# Altium PCB RaspberryPi_ExpansionBoard.PcbDoc (continued)
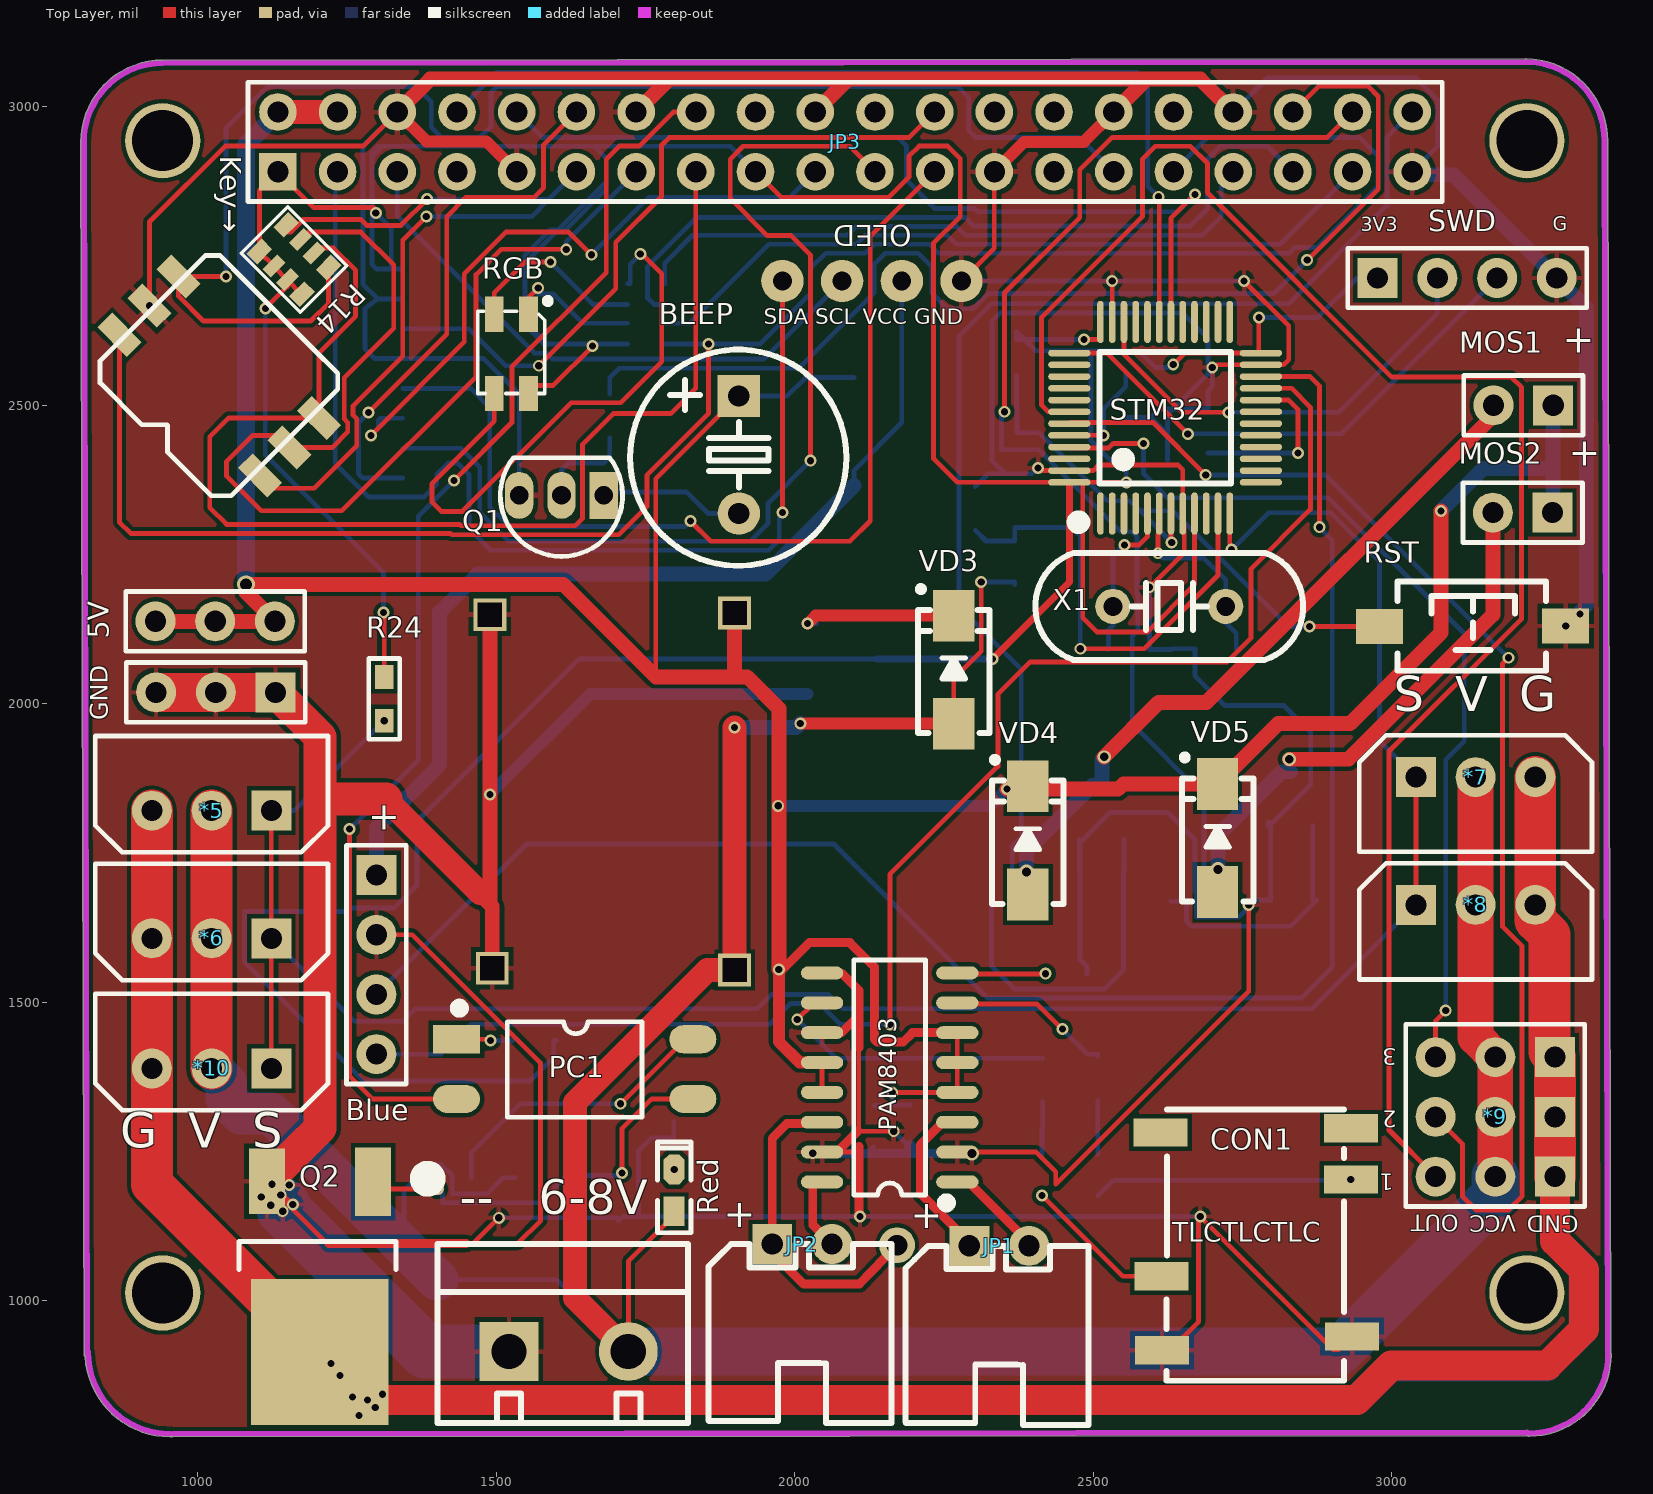
[diagram p0: Top Layer view]
## Via types (continued)

## Nets (pads, with @x,y where several pads share a name; then routed paths per layer and width w, separated by ;. In a path a pad name is that pad's centre, name@x,y a point inside that pad or via, vN(x,y) a via of type N, cw(c..) or ccw(c..) an arc to the next point about the centre after c; other vN are vias at no path point)
5V: 5V.1 5V.2 5V.3 BEEP.1 C10.1 C11.1 JP3.2 JP3.4 MOS1.1 MOS2.1 pad.8 PAM8403.4 PAM8403.5 PAM8403.6 PAM8403.12 PAM8403.13 VD2.1 VD4.2 VD5.2 | length 6295.7
  Top Layer w8: 1767,2045 1767,2376.43 BEEP.1 ; PAM8403.13 PAM8403.12 ; v1(2163,1349) PAM8403.4 PAM8403.5 PAM8403.6 ; 2546,1861.55 2550,1865.55
  Top Layer w15: v1@1977,1553 2024,1600 2092,1600 2133,1559 2133,1438 2138,1433 2181,1433 2197,1449 PAM8403.6
  Top Layer w20: 1898,2045 1899,2046 ; v1(1973,1554.8) 1973,1434 2008,1399 PAM8403.12
  Top Layer w25: 5V.3 5V.2 5V.1 1080.5,2186.5 v4(1080.5,2200) 1612,2200 1767,2045 1881,2045 1898,2045 1920,2045 1973,1992 v1(1973,1554.8) ; 1899,2046 pad.8 ; v1(2355,1857) 2541.45,1857 2546,1861.55 ; 2550,1865.55 VD5.2 2809.4,1967 2930,1967 3082,2119 v1(3082,2323)
  Top Layer w40: JP3.2 JP3.4
  Bottom Layer w8: BEEP.1 1987,2515.43 2017.87,2546.3 VD2.1 ; C11.1 2162,1327 2163,1328 2171,1328 ; v1(2163,1349) 2163,1336 2171,1328 ; C10.1 2171,1328
  Bottom Layer w20: v1(1972,1829) 2327,1829 v1(2355,1857)
  Bottom Layer w25: v1(3082,2323) 3153,2394 3268,2394 ; MOS2.1 3270,2321 MOS1.1
  Bottom Layer w30: v4(1080.5,2200) 1080.5,2936.31 1134,2989.81 JP3.2
+OUTL: JP1.1 PAM8403.3 | length 331.9
  Top Layer w8: PAM8403.3 2297,1299 2297,1297 PAM8403.3@2296.19,1297 ; JP1.1 JP1.1@2292,1098
  Top Layer w15: JP1.1@2292,1098 2210,1180 2210,1261 2246,1297 PAM8403.3@2296.19,1297
+OUTR: JP2.1 pad.5 PAM8403.14 | length 565.9
  Top Layer w8: PAM8403.14@2029.81,1297 2012,1297 2010,1299 PAM8403.14
  Top Layer w15: PAM8403.14@2012,1297 1987,1297 1962,1272 JP2.1 1962,1081 2015,1028 2108,1028 pad.5
ADC: R15.2 R16.1 STM32.11 | length 785.7
  Top Layer w8: v1(2478,2092) 2585.43,2092 2708.58,2215.15 STM32.11
  Bottom Layer w8: R16.1 2320,2272.5 R15.2 2368,2295 2464,2295 2478,2281 v1(2478,2092)
Beep: JP3.36 R9.1 | length 1899.1
  Top Layer w8: JP3.36 2877,3034 2960,3034 2977,3017 2977,2862 v1(2858,2743)
  Bottom Layer w8: R9.1 1690,2546 1705.86,2561.86 2006.43,2561.86 2132.57,2688 2132.57,2736 2151,2754.43 2206.57,2754.43 2229,2732 2229,2688 2255.43,2661.57 2298.23,2661.57 2323.67,2687 2802,2687 v1(2858,2743)
Blue: JP3.33 R2.5 | length 1106.8
  Bottom Layer w8: R2.5 1782,2703.39 1782,2738 1828.43,2784.43 2087.57,2784.43 2102.57,2799.43 2270.43,2799.43 2285.43,2784.43 2682.43,2784.43 2714,2816 2714,2891 JP3.33
CE: JP3.24 JP4.3 | length 1188.5
  Top Layer w8: v1(1571,2566) 1700,2695 1700,2772.5 1776.5,2849 1776.5,2935 1790,2948.5 2191.5,2948.5 JP3.24
  Bottom Layer w8: JP4.3 1454,2628 1516,2566 v1(1571,2566)
CE1: JP3.26
GND: 1117.1 "--   6-8V.1" Blue.2 C4.1 C5.2 C7.2 C10.2 C11.2 C12.1 C13.1 C14.1 CON1.5 CON1.6 GND.1 GND.2 GND.3 JP3.6 JP3.9 JP3.14 JP3.20 JP3.25 JP3.30 JP3.34 JP3.39 JP4.2 JP4.4 Key→.5 OLED.1 pad.6 pad.9 PAM8403.2 PAM8403.9 PAM8403.11 PAM8403.15 Q1.3 Q2.3 R1.2 R8.2 R12.1 R16.2 R18.1 R21.2 R23.2 RST.2 SI1.2 SI2.2 STM32.8 STM32.23 STM32.35 STM32.47 SWD.4 | length 18365
  Top Layer w8: v1(918.8,2666.67) 918.8,2806.8 1046,2934 1277,2934 JP3.6 ; v1(1138.68,1177) 1143,1177 v1(1159,1161) ; Q2.3@1143,1169 1216,1096 ; 1167.43,1252 1168,1252 1205,1289 1205,1797 1248,1840 ; Blue.2 1359,1613 1574,1398 1574,1134 1536,1096 1461.05,1096 ; 1449,1096 1461.05,1096 ; 1473,1680 1473,1682.45 ; v1(1504,1138.95) 1461.05,1096 ; PAM8403.11 PAM8403.11@2078,1449 ; PAM8403.9 2061,1549 2063,1547 PAM8403.9@2080,1547 ; PAM8403.15@2070,1249 2098,1249 2107,1258 ; 2105,1284 2107,1284 ; 2105,1522 2107,1520 ; v1@2107,1141 2108,1140 v1(2109,1141) ; 2107,1424 2107,1284 ; v1(2165.5,1284) 2107,1284 ; PAM8403.2 PAM8403.2@2296.19,1249 ; OLED.1 2334,2763 JP3.25 ; v2(2296.19,1247) PAM8403.2@2296.19,1249 ; v1(2407,2395) 2411.58,2390.42 STM32.47 2499.42,2390.42 2509,2400 2641.53,2400 2649.53,2392 STM32.8 2649.53,2303.03 2652.16,2300.4 2652.16,2253.16 v1(2594,2195) ; STM32.35 v1(2531.42,2708) ; CON1.6 2628,917 2676,965 v1@2676,1140 ; v1(2679,1141) 2902,918 2911,918 2911,940 CON1.5 ; v1(2699,2563) 2702.25,2563 2706.83,2567.58 STM32.23 2818.58,2567.58 2827,2576 2827,2633 v1(2752,2708) ; v1(2760,1663) 2760,1518 2437,1195 2437,1216 2404,1249 PAM8403.2@2296.19,1249
  Top Layer w15: v1(1124,1195) 1124,1191.68 v1(1138.68,1177) ; 1219.58,1096.1 1449,1096.1 ; v1(2029.81,1247) 2068,1247 2070,1249 2105,1284 ; PAM8403.11@2078,1449 2105,1476 2105,1522 PAM8403.9@2080,1547 ; v1@2107,1141 2107,1258 ; 2107,1424 2107,1520
  Top Layer w20: JP3.6 1383,2942 1483,2942 JP3.9 ; JP3.25 2384,2941 2484,2941 JP3.30
  Top Layer w25: JP3.6 1389,3046 1789,3046 ; 1473,1680 1489,1664 ; pad.9 v1(1489,1848) 1489,1664 ; pad.6 1493,1660 1489,1664 ; JP3.14 1789,3046 ; JP3.20 2089,3046 ; JP3.30 2589,3046 ; JP3.34 2679,3046 2589,3046 ; 1789,3046 2089,3046 ; 2089,3046 2589,3046
  Top Layer w40: 1315.26,1840.19 1473,1682.45
  Top Layer w55: GND.1 1204.5,1944.5 1204.5,1289.07 1167.43,1252 Q2.3@1131.21,1215.79 ; 1212,1840.19 1315.26,1840.19
  Top Layer w65: GND.3 GND.2 GND.1
  Bottom Layer w8: 1143,1161 v1(1159,1161) ; JP3.6 1276.5,2933.5 1276.5,2702.5 1301,2678 ; JP4.2 1301,2678 ; v1(1504,1138.95) 1702.05,1138.95 1704,1137 R18.1 1703.95,1133.45 1711.5,1141 v1(2109,1141) 2677,1141 2678,1140 v1(2679,1141) ; Q1.3 1538.13,2518.73 1478.87,2578 JP4.4 1296,2578 1280,2594 1280,2662 1301,2678 ; 1738,1141.5 1738,1251 1760,1273 1797,1273 R1.2 ; C11.2@2121,1247 C11.2 ; v1(2165.5,1284) C10.2@2193,1256.5 ; OLED.1 v1(2531.42,2708) v1(2752,2708) ; R16.2 2323.5,2385 2352,2385 ; v1(2407,2395) 2397,2385 C12.1 2352,2385 ; SI1.2 2476.55,1719.9 2477.45,1719 ; C4.1 2489,1559.99 2477.45,1571.54 R21.2 2477.45,1719 ; R12.1 2595.93,2479.5 ; v1(2594,2195) C5.2 2631,2091 2632,2092 C7.2 2670,2047 2720,1997 2819,1997 2864,1952 2864,1864 2801.45,1801.45 SI2.2@2797,1801.45 ; C13.1 2624,2451.43 ; C14.1@2693,2563 v1(2699,2563) 2699,2531 2692,2524 R8.2 2632.5,2493.5 ; JP3.34 2791,3048 3040,3048 3077,3011 3077,2934 JP3.39 ; v1(2760,1663) 2771.75,1671 ; SI2.2 2792.55,1801.45 SI2.2@2797,1801.45 ; 2352,2385 2330,2407 2330,2640.25 2344.25,2654.5 2648.5,2654.5 2692,2611 2692,2553 2632.5,2493.5 ; 2477.45,1719 2477.45,1767.45 2528,1818 2624,1818 2670.08,1771.92 2670.08,1685.42 2672,1683.5 2672,1642.25 2743,1642.25 2771.75,1671 ; 2595.93,2479.5 2624,2451.43 ; 2595.93,2479.5 2609.93,2493.5 2632.5,2493.5 ; 2624,2451.43 2624,2485 2632.5,2493.5 ; 2771.75,1671 R23.2 2797,1671 SI2.2@2797,1801.45
  Bottom Layer w15: v1(2029.81,1247) 2121,1247 v2(2296.19,1247)
  Bottom Layer w20: v1(1489,1848) 1656.94,2015.94 1117.1 ; C10.2@2193,1256.5 C10.2
  Bottom Layer w25: JP3.39 3039,2886 3103,2886 SWD.4 3276,2712.64 3326,2662.64 3326,2165 v1(3291,2130)
  Bottom Layer w90: 1143,1161 1143,1153 1381,915 1521,915
  other v1: 1142,1150 1122,1160 1106,1174 1153,1194 3315,2150
GPIO0: JP3.11 Key→.1 R14.8 | length 1403.3
  Top Layer w8: Key→.1 1125.48,2361 1195,2361 1266.18,2432.18 1266.18,2476.98 1260,2483.16 1260,2499 1343,2582 1343,2776.44 v1(1382.56,2816) ; R14.8 1147.64,2790 1155.25,2790 1176.07,2810.82 1273.4,2810.82 1283.21,2801 1288,2801 1340,2801 v1(1384,2845)
  Bottom Layer w8: v1(1382.56,2816) 1559,2816 1588,2845 ; v1(1384,2845) 1588,2845 ; JP3.11 1588,2845
GPIO1: JP3.12 JP4.8 | length 900.9
  Top Layer w8: v1(1286,2488) 1417,2619 1417,2816 1449,2848 1563,2848 1579,2864 1579,2936 JP3.12
  Bottom Layer w8: v1(1286,2488) 1269,2471 1269,2385 1276,2378 JP4.8
GPIO2: JP3.13 Key→.2 R14.7 | length 1818.6
  Top Layer w8: R14.7 1184.73,2790 1273,2790 1328,2735 1328,2629 1245,2546 1245,2476.95 1251.18,2470.76 1251.18,2455.18 1225.08,2429.08 Key→.2 1133.65,2449 1091,2449 1048.1,2406.1 1048.1,2380.9 1106,2323 1241.07,2323 1466,2547.93 1466,2718.79 1508.21,2761 v1(1617,2761)
  Bottom Layer w8: v1(1617,2761) 1617,2774 JP3.13
GPIO3: JP3.15 Key→.3 R14.6 | length 2033.4
  Top Layer w8: R14.6 1202.48,2763.21 1226.94,2763.21 1264,2726.16 1264,2649 1203.06,2588.06 Key→.3 1051.61,2478.58 1020,2446.97 1020,2328.32 1048.1,2300.21 1438.32,2300.21 1440.53,2298 1632,2298 1644,2310 1644,2434 1696,2486 1792,2486 1834,2528 JP3.15
GPIO4: JP3.16 PC1.2 | length 2091.6
  Top Layer w8: v1(1254,1790) 1254,1376 1292,1338 PC1.2 ; v1(1429,2374) 1526,2471 1526,2564 1684,2722 1684,2912 1706,2934 1739,2934 1796,2991 JP3.16
  Bottom Layer w8: v1(1254,1790) 1369,1905 1369,2314 v1(1429,2374)
GPIO5: JP3.18
GPIO6: JP3.22
GPIO7: JP3.7
GPIO21: JP3.29 Key→.4 R14.5 | length 2437.1
  Top Layer w8: v1(1047,2715.46) Key→.4 967.59,2682.41 1009,2641 1189,2641 1218.91,2670.91 R14.5
  Bottom Layer w8: v1(1047,2715.46) 1047,2964.1 1116.4,3033.5 1365.5,3033.5 1391,3008 1391,2965.5 1408,2948.5 1472,2948.5 1491,2967.5 1491,3024 1500.5,3033.5 2272.5,3033.5 2291,3015 2291,2960 2302.5,2948.5 2476.5,2948.5 JP3.29
GPIO22: JP3.31 Key→.6 R2.8 | length 3311.8
  Top Layer w8: Key→.6 868.6,2304 887.38,2285.21 1423,2285.21 1425.21,2283 1705,2283 1752,2330 1752,2382.64 1855,2485.64 v1(1855,2602.61)
  Bottom Layer w8: R2.8 v1(1855,2602.61) 1941.61,2602.61 2026,2687 2026,2729 2051.43,2754.43 2117.57,2754.43 2132.57,2769.43 2225.43,2769.43 2240.43,2754.43 2827.77,2754.43 2837.43,2764.1 2875.1,2764.1 2976.5,2865.5 2976.5,2917.5 2945.5,2948.5 2691.5,2948.5 JP3.31
GPIO24: JP3.35 R2.6 | length 1328.7
  Bottom Layer w8: R2.6 1764,2668.75 1753,2679.75 1753,2732 1835.43,2814.43 2285.43,2814.43 2299.87,2800 2661.65,2800 2691,2829.35 2691,2912 2712.5,2933.5 2791.5,2933.5 JP3.35
GPIO25: JP3.37 R2.7 | length 1269
  Bottom Layer w8: R2.7 1824,2637.25 1956.18,2769.43 2102.57,2769.43 2117.57,2784.43 2255.43,2784.43 2270.43,2769.43 2812.43,2769.43 JP3.37
GPIO26: JP3.32
GPIO28: JP3.38 R22.1 | length 1981.9
  Top Layer w8: v1(2351,2489) 2351,2688 2477,2814 2477,2894.1 2531.4,2948.5 2891.5,2948.5 JP3.38
  Bottom Layer w8: v1(2351,2489) 2346,2484 2346,2425.5 2408,2425.5 2545.5,2288 2565,2288 2573,2280 2573,2184 2574,2183 2574,2122 2565,2113 2565,1966.08 2685.08,1846 2685.08,1699 2699,1685.08 2699,1669 R22.1
GPIO29: JP3.40 R20.1 | length 2013.8
  Bottom Layer w8: R20.1 2379,1663 2379,1694.5 2377.76,1694.5 2364,1708.27 2364,1762.48 2379,1777.49 2379,2058 2275,2162 2275,2616 2329,2670 2827,2670 2991.5,2834.5 2991.5,2948.5 JP3.40
INL: C3.1 CON1.3 | length 435.2
  Bottom Layer w8: C3.1 2533,1202 2887.69,1202 2888.69,1203 v1(2931,1203)
INR: C6.1 CON1.4 | length 255.9
  Top Layer w8: v1(2414,1176) 2549,1041 CON1.4
MISO: JP3.21 JP4.7 | length 1720.6
  Top Layer w8: v1(2026,2407) 2026,2752 1994,2784 1954,2784 1891.5,2846.5 1891.5,2912 1913.01,2933.5 2091.5,2933.5 JP3.21
  Bottom Layer w8: JP4.7 1440,2428 1472,2396 1472,2320.76 1520.62,2272.14 1925.23,2272.14 1955,2301.91 1955,2336 v1(2026,2407)
MOSI: JP3.19 JP4.6 | length 1098.7
  Top Layer w8: v1(1290,2449) 1290,2449.87 1446,2605.87 1446,2720 1516,2790 1621,2790 v1(1659,2752)
  Bottom Layer w8: v1(1290,2449) 1302.33,2461.33 1302.33,2474.63 1305.7,2478 JP4.6 ; v1(1659,2752) 1755,2848 1991,2848 JP3.19
MOUT: *5.3 *6.3 *7.3 *8.3 *9.1 *9.2 *9.3 *10.3 Q2.2 | length 6922.6
  Top Layer w8: v1(1259,839) 1259,818.29 v1(1269.59,807.7) ; v1(1297,821) 1297,831.25 v1(1309.04,843.29)
  Top Layer w50: Q2.2 v1(1223,895) v1(1284.21,833.79) 1309.04,833.79 2940.94,833.79 2998.73,891.58 3260.58,891.58 3321.58,952.58 3321.58,1051.76 3273,1100.34 *9.1
  Top Layer w70: *5.3 *6.3 *10.3 923,1195 Q2.2 ; *7.3 *8.3 3240,1637.05 3264,1613.05 3264,1417 *9.3 *9.2 *9.1
  Bottom Layer w8: v1(1238,875) 1238,860 v1(1259,839) 1277,821 v1(1297,821)
  Bottom Layer w50: v1@1265,833.79 v1(1284.21,833.79) 2940.94,833.79 2997.15,890 3259,890 3320.99,951.99 3320.99,1052.94 3273,1100.93 *9.1 *9.2 *9.3 *9.3@3273,1415
Net1117_3: 1117.3 VD3.2 | length 265.3
  Top Layer w20: v1(2021.13,2134.06) 2034.63,2147.55 VD3.2
  Bottom Layer w8: v1(2021.13,2134.06) 1117.3@2036,2134.06
NetBEEP_2: BEEP.2 Q1.1 | length 246.3
  Bottom Layer w8: Q1.1 1679.87,2354.37 1818.63,2354.37 1854.43,2318.57 BEEP.2
NetC3_2: C3.2 R10.1 | length 91
  Bottom Layer w8: C3.2 R10.1
NetC4_2: C4.2 PAM8403.8 | length 150.4
  Top Layer w8: PAM8403.8 2296,1549 2296,1547 2296.19,1547 2296.57,1547.38 2419.38,1547.38 v1(2419.75,1547.75)
  Bottom Layer w8: v1(2419.75,1547.75) C4.2
NetC5_1: C5.1 STM32.5 X1.2 | length 269
  Top Layer w8: v1(2552,2266) 2576.47,2266 2590.47,2280 STM32.5
  Bottom Layer w8: C5.1 2525,2123 2532.51,2130.51 X1.2 2532.51,2246.51 v1(2552,2266)
NetC6_2: C6.2 R11.1 | length 88.9
  Bottom Layer w8: C6.2 2414,1288 2415,1289 R11.1
NetC7_1: C7.1 STM32.6 X1.1 | length 322.1
  Top Layer w8: v1(2608,2252) 2608,2283.84 2610.16,2286 STM32.6
  Bottom Layer w8: v1(2608,2252) 2616,2244 2685,2244 2721.49,2207.51 X1.1 2721.49,2135.51 2739,2118 C7.1
NetC12_2: C12.2 R13.1 RST.1 STM32.7 | length 962.1
  Top Layer w8: STM32.7 2629.84,2271.16 v1(2631,2270) ; v1(2862,2129.21) RST.1
  Bottom Layer w8: R13.1 2371,2502 2372,2501 C12.2 2409,2454 2523,2340 2561,2340 2578,2323 ; v1(2631,2270) 2578,2323 ; v1(2862,2129.21) 2826.79,2129.21 2633,2323 2578,2323
NetJP1_2: JP1.2 PAM8403.1 | length 170.9
  Top Layer w8: PAM8403.1 2296.19,1199 PAM8403.1@2296.19,1197 ; JP1.2 JP1.2@2392,1098
  Top Layer w15: PAM8403.1@2296.19,1197 2296.19,1193.81 JP1.2@2392,1098
NetJP2_2: JP2.2 PAM8403.16 | length 150.6
  Top Layer w8: PAM8403.16@2029.81,1197 2021,1197 2021,1199 PAM8403.16
  Top Layer w15: PAM8403.16@2029.81,1197 2029.81,1127.19 JP2.2
NetMOS1_2: MOS1.2 SI1.3 VD4.1 | length 1203.9
  Top Layer w8: v2(2387.5,1718) 2387.5,1706.45 2389.95,1704 VD4.1
  Top Layer w25: v3(2518,1911) 2609,2002 2689,2002 3172,2485 MOS1.2@3172,2502
  Bottom Layer w25: v2(2387.5,1718) 2387.5,1752.75 2497.75,1863 SI1.3 2513.95,1906.95 v3(2518,1911)
NetMOS2_2: MOS2.2 SI2.3 VD5.1 | length 836.2
  Top Layer w25: v3(2828,1907) 2927,1907 3169,2149 MOS2.2
  Bottom Layer w8: 2707.95,1764 2708.58,1764.63
  Bottom Layer w25: v2(2708.58,1722) 2708.58,1779.58 2815,1886 SI2.3
NetPAM8403_7: PAM8403.7 R10.2 | length 275.8
  Top Layer w8: PAM8403.7 2296,1499 2296,1497 2406,1497 v1(2448,1455)
  Bottom Layer w8: v1(2448,1455) 2490,1413 2507,1413 R10.2
NetPAM8403_10: PAM8403.10 R11.2 | length 492.8
  Top Layer w8: v1(2003.91,1471.09) 2029.81,1497 2029.81,1499 PAM8403.10
  Bottom Layer w8: v1(2003.91,1471.09) 2069,1406 2415,1406 R11.2
NetPC1_1: PC1.1 R17.1 | length 95.3
  Top Layer w8: PC1.1 1488,1438 v1(1490,1436)
  Bottom Layer w8: v1(1490,1436) R17.1
NetPC1_3: PC1.3 Q2.1 R18.2 | length 681.3
  Top Layer w8: Q2.1 1293.55,1187 v1(1402,1187) ; v1(1710.55,1214.13) 1710.55,1288.55 1760,1338 PC1.3
  Bottom Layer w8: v1(1402,1187) 1409.75,1179.25 1409.75,1164.25 1573.25,1164.25 1619,1210 R18.2@1704,1210 ; R18.2 R18.2@1704,1210 ; v1(1710.55,1214.13) R18.2@1704,1210
NetPC1_4: PC1.4 R19.1 | length 492.2
  Top Layer w8: v1(1708,1330) 1816,1438 PC1.4
  Bottom Layer w8: R19.1 1458,1206 1458,1248 1540,1330 v1(1708,1330)
NetQ1_2: Q1.2 R9.2 | length 165.2
  Bottom Layer w8: Q1.2 1609,2392 1620,2403 1680,2403 1690,2413 R9.2
NetR1_1: R1.1 Red.2 | length 12.4
  Bottom Layer w8: R1.1@1797,1214.58 R1.1
  other v1: 1797.74,1220
NetR2_2: R2.2 RGB.1 | length 230
  Top Layer w8: RGB.1 1553.54,2679.54 v1(1570,2696)
  Bottom Layer w8: v1(1570,2696) 1570,2686 1596,2686 1644.75,2637.25 R2.2
NetR2_3: R2.3 RGB.2 | length 309.6
  Top Layer w8: RGB.2 1496.46,2688 1548.46,2740 v1(1590.46,2740)
  Bottom Layer w8: v1(1590.46,2740) 1661.71,2668.75 R2.3
NetR2_4: R2.4 RGB.3 | length 978.2
  Top Layer w8: RGB.3 1496.46,2473 1392,2368.54 1392,2338 1408,2322 1443,2322 1625,2504 1708,2504 1777,2573 1777,2720 1744,2753 v1(1741,2753)
  Bottom Layer w8: R2.4 1724,2703.39 1724,2736 v1(1741,2753)
NetR8_1: R8.1 STM32.20 | length 292.5
  Top Layer w8: STM32.20 2827,2508.53 2842.47,2493.06 v1(2842.47,2420)
  Bottom Layer w8: R8.1 2692,2420 v1(2842.47,2420)
NetR12_2: R12.2 STM32.44 | length 175.8
  Top Layer w8: STM32.44 v1(2517,2449.47)
  Bottom Layer w8: v1(2517,2449.47) 2517,2494 2554,2531 R12.2
NetR20_2: R20.2 R21.1 SI1.1 | length 572.4
  Bottom Layer w8: R20.2 2329,1663 2329,1561 2368,1522 2518,1522 2550.45,1554.45 R21.1 2550.45,1719 2551.35,1719.9 SI1.1
NetR22_2: R22.2 R23.1 SI2.1 | length 430.8
  Bottom Layer w8: R22.2 2656,1669 2656,1635.25 2664,1627.25 2830.25,1627.25 2874,1671 R23.1 2867.35,1671 SI2.1
PWM1: *9.7 STM32.42 | length 2819.3
  Top Layer w8: STM32.42 2424,2488.84 2413,2499.84 2413,2647 2582,2816 2582,2912 2603.5,2933.5 2662.5,2933.5 2691,2905 2691,2856 3000,2547 3200,2547 3217,2530 3217,2142 2995,1920 2995,1286 *9.7
PWM2: *9.8 STM32.43 | length 2091
  Top Layer w8: STM32.43 2459.55,2471 2600,2471 v1(2688,2383) ; *9.8 3118,1263 3118,1175 3141,1152 3195,1152 3218,1175 3218,1594 3185,1627 3185,2067 v1(3195,2077)
  Bottom Layer w8: v1(2688,2383) 2889,2383 v1(3195,2077)
PWM3: *9.9 STM32.45 | length 1556.3
  Top Layer w8: STM32.45 2460.87,2428.47 2525.7,2428.47 2533.23,2436 v1(2584,2436) ; *9.9 3073,1469 v1(3090,1486)
  Bottom Layer w8: v1(2584,2436) 2584,2385 2624,2345 2893.57,2345 3121,2117.57 3121,1937.01 3090,1906.01 v1(3090,1486)
RXD: JP3.10 STM32.30 | length 1480.8
  Top Layer w8: STM32.30 2629.84,2812.84 v1(2670,2853)
  Bottom Layer w8: JP3.10 1576.5,2948.5 2172.5,2948.5 2187,2934 2187,2877 2234.57,2829.43 2300.43,2829.43 2305.87,2824 2641,2824 v1(2670,2853)
SCL0: JP3.28
SCL1: JP3.5 OLED.3 | length 972.4
  Bottom Layer w8: JP3.5 1334,2816.92 1563.89,2587.03 1584,2587.03 1593.6,2577.43 1948.43,2577.43 OLED.3
SCLK: JP3.23 JP4.5 | length 1638.1
  Top Layer w8: v1(1825,2306) 1859,2272 2092,2272 2126,2306 2126,2783 JP3.23
  Bottom Layer w8: JP4.5 1457,2528 1489,2496 1489,2329.1 1521.1,2297 1816,2297 v1(1825,2306)
SDA0: JP3.27
SDA1: JP3.3 OLED.4 | length 1846.6
  Top Layer w8: v1(1979,2320) OLED.4
  Bottom Layer w8: JP3.3 1230,2887 1230,2402 1286,2346 1378,2346 1400,2368 1400,2384 1419,2403 1435,2403 1454,2384 1454,2294 1490.86,2257.14 1956.43,2257.14 1973.58,2274.28 1973.58,2314.58 v1(1979,2320)
SWCLK: STM32.37 SWD.3 | length 880.6
  Top Layer w8: STM32.37 2522.73,2587.27 v1(2658,2452)
  Bottom Layer w8: v1(2658,2452) 2915,2452 SWD.3
SWDIO: STM32.34 SWD.2 | length 747.9
  Top Layer w8: STM32.34 2551.1,2585 2648.1,2488 v1(2726,2488)
  Bottom Layer w8: v1(2726,2488) 2911,2488 3076,2653 SWD.2
TXD: JP3.8 STM32.31 | length 1599.9
  Top Layer w8: v1(2609,2849) 2610.16,2847.84 STM32.31
  Bottom Layer w8: JP3.8 1500,3057 2574,3057 2591,3040 2591,2867 v1(2609,2849)
UART: *5.1 *6.1 *7.1 *8.1 *10.1 R24.2 STM32.12 | length 3728.2
  Top Layer w8: *10.1 *6.1 *5.1 ; STM32.12 2728.27,2261 v1(2731.27,2258) ; *8.1 *7.1
  Bottom Layer w8: *6.1 1262,1468 1343,1468 1364,1489 1937.03,1489 1961.03,1513 2056,1513 2080,1489 2866,1489 *8.1 ; *5.1 1161.5,1821 v1(1312,1971.5) ; v1(2731.27,2258) 2793.27,2320 2897.36,2320 2979,2238.36 2979,1938 *7.1
USART3_RX: Blue.3 STM32.22 | length 2920.6
  Top Layer w8: STM32.22 2863.1,2547.9 2878.47,2532.53 v1(2878.47,2295.65)
  Bottom Layer w8: Blue.3 1551,1765 2065,1765 2323,1507 2848,1507 2900,1559 2900,2274.12 v1(2878.47,2295.65)
USART3_TX: Blue.4 STM32.21 | length 2524.4
  Top Layer w8: v1(2159,1463) 2159,1714 2340,1895 2340,2016 2394,2070 2723.77,2070 2763.98,2110.21 2763.98,2225.98 2863.47,2325.47 2863.47,2496.53 2831.79,2528.21 STM32.21
  Bottom Layer w8: Blue.4 1407,1413 1457,1463 1957.6,1463 1992.6,1498 2041,1498 2076,1463 v1(2159,1463)
VCC: "--   6-8V.2" *5.2 *6.2 *7.2 *8.2 *9.4 *9.5 *9.6 *10.2 pad.7 R15.1 R19.2 Red.1 VD3.1 | length 6215.8
  Top Layer w8: 1721,915 1721,1066.26 1797.74,1143 Red.1 ; VD3.1 2266,1967 2266,2042 2312,2088 v1(2312,2204)
  Top Layer w20: v1(2009,1967) VD3.1@2266,1967
  Top Layer w40: 1721,915 1631.5,1004.5 1631.5,1332.08 1853.42,1554 pad.7 v1(1899,1960)
  Top Layer w60: *7.2 *8.2 3140,1441 *9.6 *9.5 *9.4
  Top Layer w70: *10.2 *6.2 *5.2
  Bottom Layer w8: R19.2 1511,1206 1484.25,1179.25 1426,1179.25 1426,1210 1408,1228 1389,1228 1345,1184 1345,1091.31 1345,1091 1401,1035 1401.31,1035 1601,1035 1721,915 ; v1(2312,2204) 2368,2204 R15.1
  Bottom Layer w25: v1(1899,1960) 2002,1960 v1(2009,1967)
  Bottom Layer w70: *10.2 1047.54,1364.46 1047.54,1338.14 1072.14,1313.54 1122.78,1313.54 1345,1091.31 1401.31,1035
  Bottom Layer w80: 1721,915 2911,915 3173,1177 *9.4
VCC_3.3: 1117.2 C13.2 C14.2 JP3.1 JP3.17 JP4.1 R2.1 R13.2 R14.1 R14.2 R14.3 R14.4 R17.2 R24.1 RGB.4 STM32.9 STM32.24 STM32.36 STM32.48 SWD.1 | length 9545
  Top Layer w8: v1(1113,2662) 1149.86,2698.86 R14.3@1149.86,2709.73 ; R14.4 1173.5,2686.1 R14.3@1149.86,2709.73 ; v1(1298,2822) 1289,2831 ; v1@1298,2827 1294,2831 1289,2831 ; v1(1311,2153) 1312,2152 R24.1 ; RGB.4 1553.54,2533 1595,2533 v1(1661,2599) ; JP3.17 1977,2848 2157,2848 2191,2882 2191,2917 2208,2934 2256,2934 2277,2913 2277,2816 2232,2771 2232,2410.73 2272,2370.73 STM32.48 2460,2370.73 STM32.48@2482,2370.73 ; v1(2484,2610) 2511.73,2610 STM32.36 ; v1(2555,2370.73) STM32.48@2482,2370.73 ; v1(2633.65,2568) 2652.92,2587.27 STM32.24@2777,2587.27 ; STM32.9 2669.21,2199.21 2590,2120 2506,2120 2482,2144 STM32.48@2482,2370.73 ; v1(2777,2647) STM32.24@2777,2587.27 ; STM32.24 STM32.24@2777,2587.27 ; R14.3@1149.86,2709.73 R14.3 1149.14,2710.46 1127.59,2732.27 R14.2 1127.5,2732.86 1103.1,2757.27 R14.1 1103.1,2860.1 1106.5,2863.5 1134,2863.5 JP3.1 1194,2831 1289,2831
  Top Layer w12: v1(2331,2075) 2460,2204 STM32.48@2460,2370.73
  Bottom Layer w8: v1(1113,2662) 1113,2417 1311,2219 v1(1311,2153) ; v1(1298,2822) 1324,2796 JP4.1@1324,2728 ; v1@1298,2827 1291.5,2833.5 1291.5,2915 ; JP4.1 JP4.1@1324,2728 ; R17.2 1596,1436 1596,1408 1556,1368 1278,1368 1078,1568 1078,1652 1249,1652 1255,1658 1329,1658 1367,1696 1367,1803 1639,2075 2034,2075 1117.2@2138,2075 ; v1(1661,2599) 1664.61,2602.61 R2.1 1584.6,2602.61 ; v1@1661,2602.61 1584.6,2602.61 ; JP3.17 1891.5,2933.5 1705.5,2933.5 ; v1(2484,2610) R13.2@2384.5,2610 ; v1(2555,2370.73) C13.2 2528,2408 2496,2440 2496,2591 ; C14.2 2604,2563 2576,2591 2496,2591 ; C14.2@2630,2571.65 v1(2633.65,2568) ; v1(2777,2647) 2876,2647 2942,2713 SWD.1 ; 1291.5,2915 1291.5,2736 1299.5,2728 JP4.1@1324,2728 ; 1291.5,2915 1291.5,2924.01 1301,2933.5 1310.01,2933.5 ; 1291.5,2915 1310.01,2933.5 ; 1310.01,2933.5 1705.5,2933.5 ; 1310.01,2933.5 1664,2933.5 1684,2913.5 1684,2912 ; 1584.6,2602.61 1579,2602.61 1548,2633.61 1548,2752 1590,2794 1615.79,2794 1684,2862.21 1684,2874 ; 1584.6,2602.61 1548.46,2638.75 1548.46,2738.46 1684,2874 ; 1684,2874 1684,2912 ; 1684,2912 1705.5,2933.5 ; R13.2@2384.5,2610 2371,2610 R13.2 R13.2@2384.5,2610 ; R13.2@2384.5,2610 2403.5,2591 2496,2591
  Bottom Layer w12: 1117.2@2138,2075 v1(2331,2075)
VCC_4.4: Blue.1 OLED.2 VD2.2 | length 1642
  Bottom Layer w8: VD2.2 2099,2391 2179,2471 OLED.2
  Bottom Layer w25: Blue.1 1299,1792 1405,1898 1405,2153.39 1468.61,2217 1950.8,2217 VD2.2
pads on no net: CON1.1 CON1.2 STM32.1 STM32.2 STM32.3 STM32.4 STM32.10 STM32.13 STM32.14 STM32.15 STM32.16 STM32.17 STM32.18 STM32.19 STM32.25 STM32.26 STM32.27 STM32.28 STM32.29 STM32.32 STM32.33 STM32.38 STM32.39 STM32.40 STM32.41 STM32.46

## Polygon pours and split planes (outlines as drawn)
GND on Bottom Layer "Top Layer-No Net" (solid, remove dead copper, pour order 28): 675,3171 675,538 681,544 4303,544 4303,3014 4043,3274
GND on Bottom Layer "Top Layer-No Net" (solid, remove dead copper, pour order 12): 4234,1653
GND on Top Layer "Top Layer-No Net" (solid, remove dead copper, pour order 30): 627,3193 447,3013 447,533 3897,533 3999,431 4142,574 4142,3226
GND on Top Layer "Top Layer-No Net" (solid, remove dead copper, pour order 16): 4948,1571

## Keep-outs
Keep-Out Layer:
  lines w10: 814.48,909.98 809.05,2941.05 cw(c941,2941.05) 941,3073 3224.05,3074.99 ; 816.17,913.99 ccw(c953,913.99) 953,777.16 ; 958,777 3226.16,778.97 ; 3224.05,3074.95 cw(c3224.05,2943) 3356,2943 ; 3230.05,778.05 ccw(c3230.05,910) 3362,910 ; 3356.05,2942.05 3361.47,913.98

## Silkscreen, mask and mechanical layers (free items; w line width, h text height)
Top Overlay:
  text "G" at 3269,2784 h40
  text "3V3" at 2948,2783 h40
  text "SDA SCL VCC GND" at 1948,2626 h45
  text "+" at 3286,2572 h80
  text "+" at 3296,2383 h80
  text "+" at 1285.57,1772.78 h80
  text "+" at 1881,1107 h80
  text "+" at 2193.57,1105.78 h80
  text "TLCTLCTLC" at 2632,1088 h55
Bottom Overlay:
  text "RPI Expansion Board" at 3001,835 h140

## Text inside footprints (layer, text, board x,y; h text height)
*9: Top Overlay "VCC" at 3208,1143 h27.56 r180; Top Overlay "GND" at 3313,1142 h27.56 r180; Top Overlay "OUT" at 3112,1144 h27.56 r180; Top Overlay "1" at 3003,1213 h27.56 r180; Top Overlay "2" at 3008,1318 h27.56 r180; Top Overlay "3" at 3008,1423 h27.56 r180